# Altium PCB DRV驱动.PcbDoc
Units mil, origin at the board's own origin, x right, y up, seen from the top; angles counter-clockwise.
Board outline 2580 x 1610 mil, 3 copper layers (Top Layer, Internal Plane 2, Bottom Layer); 45 components, 0 nets, 213 pads, 71 vias.
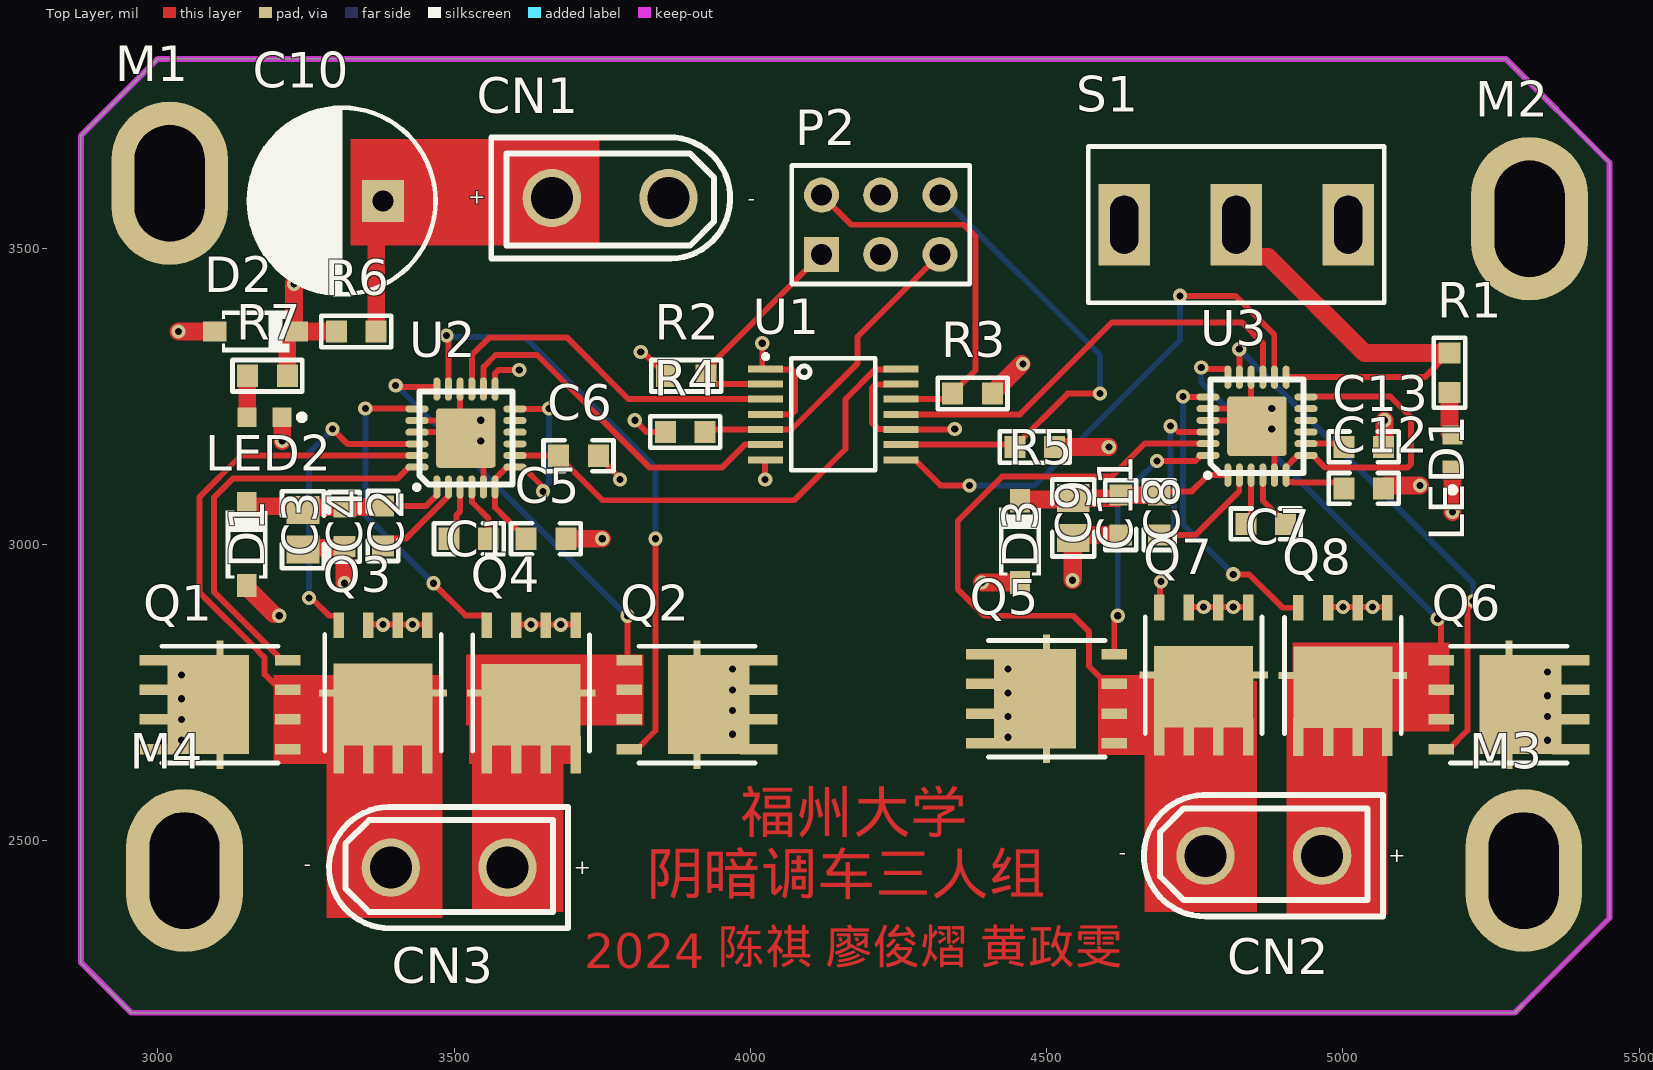
[diagram p0: Top Layer view]
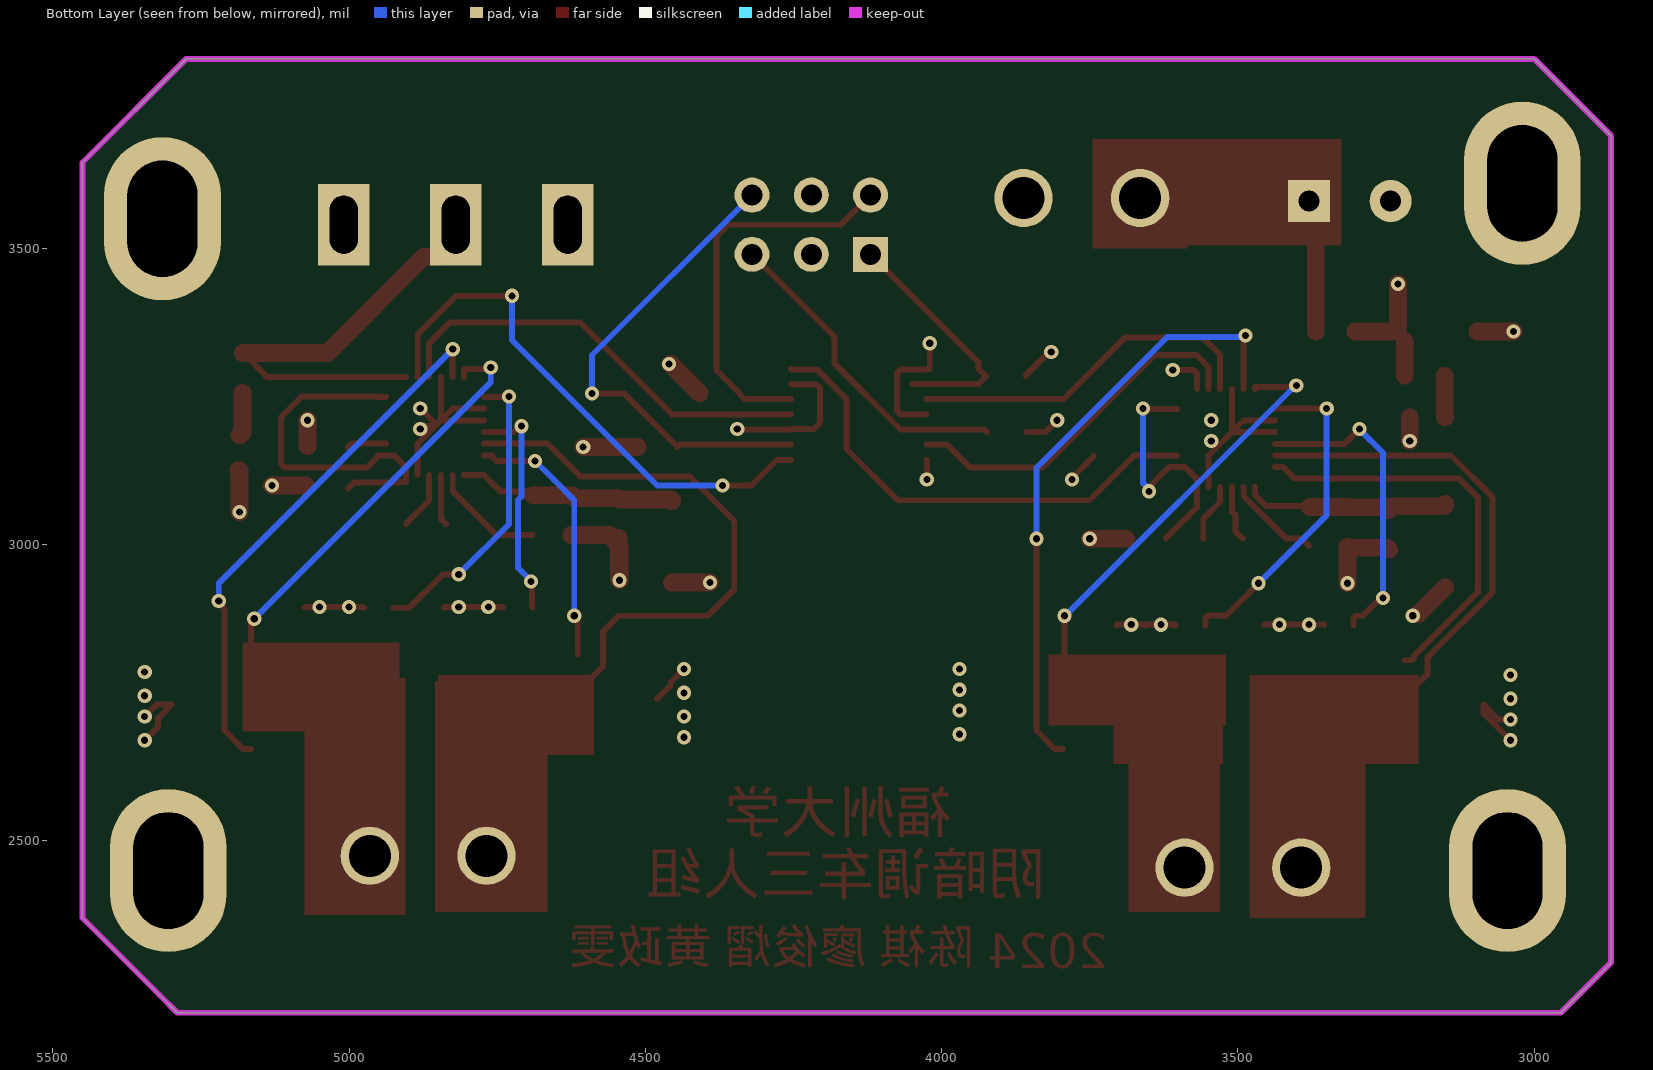
[diagram p1: Bottom Layer view, seen from below]
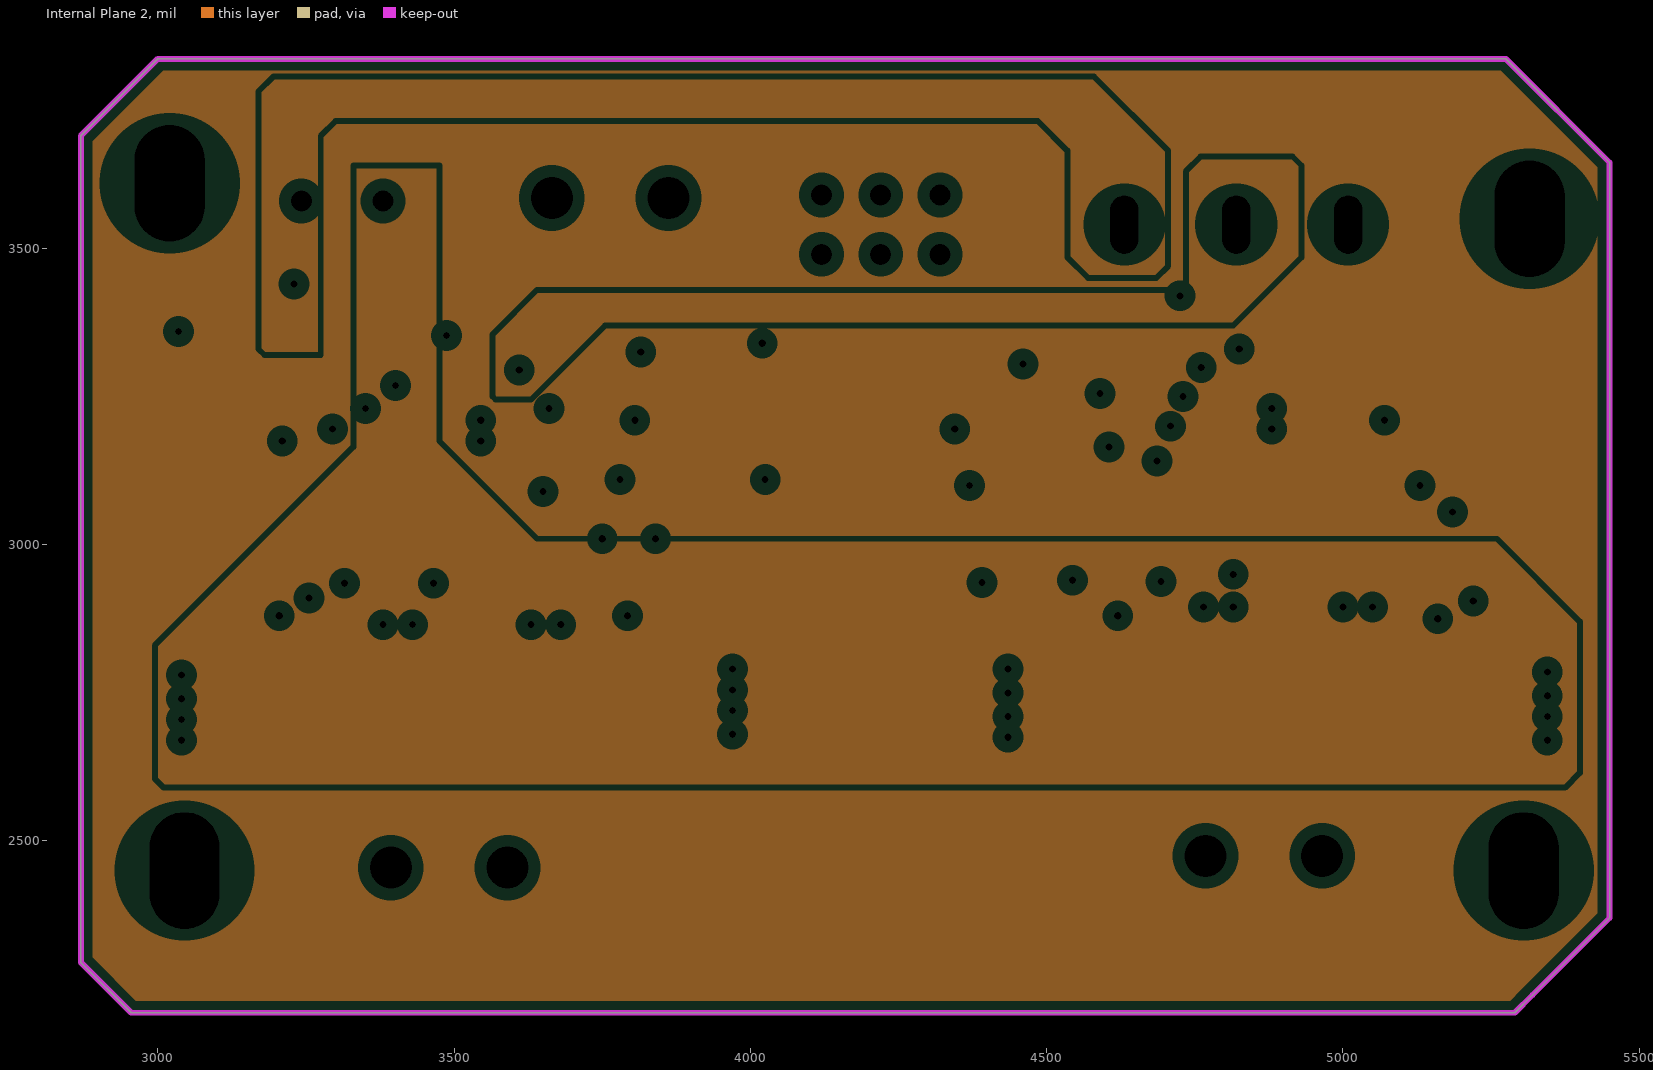
[diagram p2: Internal Plane 2, clearances drawn from the general rule]

## Layer stack, top to bottom
Top Solder: solder mask 0.4, Solder Resist, Dk 3.5
Top Layer: signal copper 1.4
Dielectric 1: dielectric 12.6, FR-4, Dk 4.8
Internal Plane 2: plane copper 1.4
Dielectric2: dielectric 12.6, FR-4, Dk 4.8
Bottom Layer: signal copper 1.4
Bottom Solder: solder mask 0.4, Solder Resist, Dk 3.5

## Board outline
2870,2295 2955,2210 5290,2210 5320,2240 5450,2370 5450,3645 5275,3820 3000,3820 2870,3690

## Design rules (kind name [scope] priority, off if disabled: settings)
Clearance [All] p1: gap=10 ignorepadtopadclearanceinfootprint=FALSE except(0: Arc-Hole Track-Hole SMDPad-Hole THPad-Hole Via-Hole Fill-Hole Poly-Hole Region-Hole Text-Hole)
PlaneClearance [All] p1: clearance=20
PlaneConnect [All] p1: planeconnectstyle=Relief reliefexpansion=20 reliefentries=4 reliefconductorwidth=10 reliefairgap=10
PolygonConnect [All] p1: connectstyle=Relief reliefconductorwidth=10 reliefentries=4 polygonreliefangle="90 Angle" airgapwidth=10
RoutingVias [All] p1: holewidth=28 width=50 viastyle="Through Hole" minholewidth=28 minwidth=50 maxholewidth=28 maxwidth=50
SolderMaskExpansion [All] p1: expansion=4 istentingtop=FALSE
Width [All] p1: maxlimit=10 minlimit=10 preferedwidth=10
28 further rules are at their usual default settings.

## Components (designator, comment, footprint, x,y, rotation, side; value= is the part's Value field where it differs from the comment)
C1 "100nF ±10% 50V" CAPC1608[0603]S-N 3525,3010 r0 top value=100nF
C2 "1uF ±10% 25V" CAPC1608[0603]S-N 3380,3031.54 r90 top value=1uF
C3 "10uF ±10% 25V" CAPC2012[0805]S-N 3245,3025 r270 top value=10uF
C4 "100nF ±10% 50V" CAPC1608[0603]S-N 3315,3030 r270 top value=100nF
C5 "1uF ±10% 25V" CAPC1608[0603]S-N 3655,3010 r180 top value=1uF
C6 "1uF ±10% 25V" CAPC1608[0603]S-N 3710,3150 r180 top value=1uF
C7 "100nF ±10% 50V" CAPC1608[0603]S-N 4870,3035 r0 top value=100nF
C8 "1uF ±10% 25V" CAPC1608[0603]S-N 4690,3050 r90 top value=1uF
C9 "10uF ±10% 25V" CAPC2012[0805]S-N 4545,3045 r270 top value=10uF
C10 "220uF 25V" CAPPR3.5-8X11.5 3311.1,3580 r180 top value=220uF
C11 "100nF ±10% 50V" CAPC1608[0603]S-N 4625,3050 r270 top value=100nF
C12 "1uF ±10% 25V" CAPC1608[0603]S-N 5035,3095 r180 top value=1uF
C13 "1uF ±10% 25V" CAPC1608[0603]S-N 5035,3165 r180 top value=1uF
CN1 "XT30UPB-F30.G.Y" CONN-TH_XT30UPB-M 3763.43,3585 r180 top
CN2 "XT30UPB-F30.G.Y" CONN-TH_XT30UPB-M 4866.57,2475 r0 top
CN3 "XT30UPB-F30.G.Y" CONN-TH_XT30UPB-M 3491.57,2455 r0 top
D1 "1N5819" SOD-123-L 3150,3000 r90 top
D2 "BZT52C3V3" SOD-123-L 3165,3360 r0 top
D3 "1N5819" SOD-123-L 4455,3005 r90 top
LED1 "Blue" LEDC1608(0603) 5185,3155.47 r90 top
LED2 "" LEDC1608(0603) 3180,3215 r180 top
M1 "MountHole" M3-MountSlot 3042.8,3592.83 r90 top
M2 "MountHole" M3-MountSlot 5337.8,3532.83 r90 top
M3 "MountHole" M3-MountSlot 5327.8,2432.83 r90 top
M4 "MountHole" M3-MountSlot 3067.8,2432.83 r90 top
P2 "Header 3X2" HDR2X3 4120,3490 r0 top
Q1 "TPH1R403NL" DFN5x6 3105,2730 r90 top
Q2 "TPH1R403NL" DFN5x6 3910,2730 r270 top
Q3 "TPH1R403NL" DFN5x6 3380,2750 r180 top
Q4 "TPH1R403NL" DFN5x6 3630,2749.69 r180 top
Q5 "TPH1R403NL" DFN5x6 4500,2740 r90 top
Q6 "TPH1R403NL" DFN5x6 5280,2730 r270 top
Q7 "TPH1R403NL" DFN5x6 4765,2779.69 r180 top
Q8 "TPH1R403NL" DFN5x6 5000,2779.33 r180 top
R1 "330R ±1%" RESC1608[0603]S-N 5180,3290 r270 top value=330R
R2 "10K ±1%" RESC1608[0603]S-N 3891.54,3285 r180 top value=10K
R3 "10K ±1%" RESC1608[0603]S-N 4375,3255 r180 top value=10K
R4 "10K ±1%" RESC1608[0603]S-N 3890,3190 r180 top value=10K
R5 "10K ±1%" RESC1608[0603]S-N 4480,3165 r180 top value=10K
R6 "2.2K ±1%" RESC1608[0603]S-N 3335,3360 r180 top value=2.2K
R7 "1K ±1%" RESC1608[0603]S-N 3185,3285 r0 top value=1K
S1 "SW-SPDT" SS12D10 4820,3540 r180 top
U1 "SN74HC125PWR" TSSOP-14 4140,3220 r0 top
U2 "DRV8701E" QFN24-4x4 3520,3180 r90 top
U3 "DRV8701E" QFN24-4x4 4855,3200 r90 top

## Footprints (in the part's own frame and the unit in brackets; to place one, negate y for a bottom-side part, rotate by r counter-clockwise, add the part's x,y. Pads: shape width x height; smd on the part's side, far side on the other; paste and mask are expansions set on the pad)
CAPC1608[0603]S-N [mm]
  rect 0.9x0.95 smd: 1(-0.85,0) 2(0.85,0)
  silkscreen extent -1.5,-0.66 1.5,0.66, body extent -0.8,-0.41 0.8,0.41, height 0.79
CAPC2012[0805]S-N [mm]
  rect 1.2x1.4 smd: 1(-0.85,0) 2(0.85,0)
  silkscreen extent -1.65,-0.9 1.65,0.9, body extent -1,-0.63 1,0.62, height 1.25
CAPPR3.5-8X11.5 [mm]
  rect 1.8x1.8 hole 0.9: 1(-1.75,0)
  round 1.8 hole 0.9: 2(1.75,0)
  silkscreen extent -4,-4.01 4,4, body extent -4,-3.98 4,3.98, height 11.5
CONN-TH_XT30UPB-M [mm]
  round 2.5 hole 1.8: 1(-2.5,0) 2(2.5,0)
  silkscreen extent -5.14,-2.6 5.1,2.6
DFN5x6 [mm]
  rect 0.45x1.6 smd: 1(-1.905,2.65) 1(-0.635,2.65) 1(0.635,2.65) 1(1.905,2.65)
  rect 5.5x0.3 smd: 1(0,0)
  rect 4.25x3.5 smd: 1(0,0.5)
  rect 0.45x1.1 smd: 2(1.905,-2.9) 3(-1.905,-2.9) 3(-0.635,-2.9) 3(0.635,-2.9)
  silkscreen extent -2.5,-2.5 2.5,2.5, body extent -2.45,-3 2.45,3, height 1
HDR2X3 [mm]
  rect 1.5x1.5 hole 0.9: 1(0,0)
  round 1.5 hole 0.9: 2(0,2.54) 3(2.54,0) 4(2.54,2.54) 5(5.08,0) 6(5.08,2.54)
  silkscreen extent -1.27,-1.27 6.35,3.81, body extent -1.27,-1.27 6.35,3.81, height 8.54
LEDC1608(0603) [mm]
  rect 0.8x0.85 smd: A(0.75,0) C(-0.75,0)
  silkscreen extent -1.73,-0.13 -1.48,0.12, body extent -0.8,-0.4 0.8,0.4, height 0.64
M3-MountSlot [mm]
  oval 7x5 hole 3 slot 5 at 0 deg: 1(0.436,0.579)
QFN24-4x4 [mm]
  rrect10% 2.55x2.55 smd: 0(0,0)
  oval 1x0.3 smd: 1(-2.1,1.25) 2(-2.1,0.75) 3(-2.1,0.25) 4(-2.1,-0.25) 5(-2.1,-0.75) 6(-2.1,-1.25) 13(2.1,-1.25) 14(2.1,-0.75) 15(2.1,-0.25) 16(2.1,0.25) 17(2.1,0.75) 18(2.1,1.25)
  oval 0.3x1 smd: 7(-1.25,-2.1) 8(-0.75,-2.1) 9(-0.25,-2.1) 10(0.25,-2.1) 11(0.75,-2.1) 12(1.25,-2.1) 19(1.25,2.1) 20(0.75,2.1) 21(0.25,2.1) 22(-0.25,2.1) 23(-0.75,2.1) 24(-1.25,2.1)
  silkscreen extent -2.21,-2 2,2.21, body extent -2,-2 2,2, height 0.9
RESC1608[0603]S-N [mm]
  rect 0.9x0.95 smd: 1(-0.85,0) 2(0.85,0)
  silkscreen extent -1.5,-0.67 1.5,0.67, body extent -0.8,-0.4 0.8,0.4, height 0.45
SOD-123-L [mm]
  rect 1x0.85 smd: A(-1.75,0) K(1.75,0)
  silkscreen extent -1.44,-0.9 1.47,0.9, body extent -1.85,-0.8 1.85,0.8, height 1.2
SS12D10 [mm]
  rect 2.2x3.5 hole 1.2 slot 2.5 at 90 deg mask+0.07: 1(-4.8,0) 2(0,0) 3(4.8,0)
  silkscreen extent -6.35,-3.35 6.35,3.35, body extent -6.4,-3.3 6.35,3.8, height 12.5
TSSOP-14 [mm]
  rect 1.5x0.3 smd mask+0.07: 1(-2.9,1.95) 2(-2.9,1.3) 3(-2.9,0.65) 4(-2.9,0) 5(-2.9,-0.65) 6(-2.9,-1.3) 7(-2.9,-1.95) 8(2.9,-1.95) 9(2.9,-1.3) 10(2.9,-0.65) 11(2.9,0) 12(2.9,0.65) 13(2.9,1.3) 14(2.9,1.95)
  silkscreen extent -2.99,-2.4 1.8,2.57, body extent -3.2,-2.5 3.2,2.5, height 1.13

## Part data
C1 C4 C7 C11: library part Cap-Chip_1, "贴片电容", Tolerance=±10%, Voltage=50V, Price(RMB)=0.000, Published=8-Jun-2000, Publisher="Altium Limited", Revision="July-2002: Re-released for DXP Platform."
C2 C5 C6 C8 C12 C13: library part Cap-Chip_2, "贴片电容", Tolerance=±10%, Voltage=25V, Price(RMB)=0.000, Published=8-Jun-2000, Publisher="Altium Limited", Revision="July-2002: Re-released for DXP Platform."
C3 C9: library part Cap-Chip, "贴片电容", Tolerance=±10%, Voltage=25V, Price(RMB)=0.000, Published=8-Jun-2000, Publisher="Altium Limited", Revision="July-2002: Re-released for DXP Platform."
C10: library part Cap-Elect, "Polarized Capacitor (Radial)", Voltage=25V, Price(RMB)=0.000, Published=8-Jun-2000, Publisher="Altium Limited", Revision="July-2002: Re-released for DXP Platform."
CN1 CN2 CN3: Colour=黄色, contact resistance=0.65mΩ, JLCPCB Part Class="Extended Part", LCSC Part Name=AMASS(艾迈斯)直立焊板式连接器XT30UPB30-F.G.*, Manufacturer=AMASS(艾迈斯), MaximumCurrent=-, RatedCurrent=15A, RatedVoltage="DC 500V", Add into BOM=yes, Belt length=-, Brand=艾迈斯, Convert to PCB=yes, Datasheet=https://atta.szlcsc.com/upload/public/pdf/source/20220715/AFD68B9E8B6CA95A7295DBF4AF9325E4.pdf, Device=XT30UPB-F30.G.Y, FlameRetardantGrade=-, Input=-, InsulationMaterial=PA, Interface=-, InterfaceType=母头, Manufacturer Part=XT30UPB-F30.G.Y, MetalMaterial=镀金, Model=XT30UPB-F30.G.Y, NumberOfUSBHoles=-, Output=-, Power=-, RecommendedWireGauge=-, Size=-, specifications=-, Supplier=LCSC, Supplier Footprint=-, Supplier Part=C108769, Symbol=XT30UPB-F, Type=航模插头, Type1=-
D1 D3: library part "Diode Schottky", "肖特基二极管 Diode", Imax=500mA, PartNumber=1N5819, Price(RMB)=0.000, Published=8-Jun-2000, Publisher="Altium Limited", Revision="July-2002: Re-released for DXP Platform."
D2: library part "Diode Zen", "3.3V稳压二极管 SOD-123", Price(RMB)=0.000, Published=8-Jun-2000, Publisher="Altium Limited", Revision="July-2002: Re-released for DXP Platform."
LED1: library part "LED Chip Blue", "Typical Chip LED", Color=Blue, Price(RMB)=0.00, Published=8-Jun-2000, Publisher="Altium Limited", Revision="July-2002: Re-released for DXP Platform."
LED2: library part "LED Chip Red", "Typical Chip LED", Price(RMB)=0.00, Published=8-Jun-2000, Publisher="Altium Limited", Revision="July-2002: Re-released for DXP Platform."
M1 M2 M3 M4: "固定孔"
P2: "Header, 3-Pin, Dual row", LatestRevisionDate=17-Jul-2002, LatestRevisionNote="Re-released for DXP Platform.", Price(RMB)=0.00, Publisher="Altium Limited"
Q1 Q2 Q3 Q4 Q5 Q6 Q7 Q8: "东芝 N沟 MOS"
R1: library part Res-Chip_3, "贴片电阻", Tolerance=±1%, Price(RMB)=0.000, Published=8-Jun-2000, Publisher="Altium Limited", Revision="July-2002: Re-released for DXP Platform."
R2 R3 R4 R5: library part Res-Chip_1, "贴片电阻", Tolerance=±1%, Price(RMB)=0.000, Published=8-Jun-2000, Publisher="Altium Limited", Revision="July-2002: Re-released for DXP Platform."
R6: library part Res-Chip, "贴片电阻", Tolerance=±1%, Price(RMB)=0.000, Published=8-Jun-2000, Publisher="Altium Limited", Revision="July-2002: Re-released for DXP Platform."
R7: library part Res-Chip_2, "贴片电阻", Tolerance=±1%, Price(RMB)=0.000, Published=8-Jun-2000, Publisher="Altium Limited", Revision="July-2002: Re-released for DXP Platform."
S1: "单刀双掷开关 3脚船型、钮子、拨动开关 SPDT Subminiature Toggle Switch", Price(RMB)=0.000, Published=24-Mar-1999, Publisher="Altium Limited"
U1: "三态输出的四路缓冲器 TSSOP-20"
U2 U3: "DRV8701E Ti全桥驱动芯片"

## Via types
v1: diameter 24, hole 12, Top Layer to Bottom Layer, 71 vias

## Nets (pads, with @x,y where several pads share a name; then routed paths per layer and width w, separated by ;. In a path a pad name is that pad's centre, name@x,y a point inside that pad or via, vN(x,y) a via of type N, cw(c..) or ccw(c..) an arc to the next point about the centre after c; other vN are vias at no path point)
pads on no net: C1.1 C1.2 C2.1 C2.2 C3.1 C3.2 C4.1 C4.2 C5.1 C5.2 C6.1 C6.2 C7.1 C7.2 C8.1 C8.2 C9.1 C9.2 C10.1 C10.2 C11.1 C11.2 C12.1 C12.2 C13.1 C13.2 CN1.1 CN1.2 CN2.1 CN2.2 CN3.1 CN3.2 D1.A D1.K D2.A D2.K D3.A D3.K LED1.A LED1.C LED2.A LED2.C M1.1 M2.1 M3.1 M4.1 P2.1 P2.2 P2.3 P2.4 P2.5 P2.6 Q1.1 Q1.2 Q1.3 Q2.1 Q2.2 Q2.3 Q3.1 Q3.2 Q3.3 Q4.1 Q4.2 Q4.3 Q5.1 Q5.2 Q5.3 Q6.1 Q6.2 Q6.3 Q7.1 Q7.2 Q7.3 Q8.1 Q8.2 Q8.3 R1.1 R1.2 R2.1 R2.2 R3.1 R3.2 R4.1 R4.2 R5.1 R5.2 R6.1 R6.2 R7.1 R7.2 S1.1 S1.2 S1.3 U1.1 U1.2 U1.3 U1.4 U1.5 U1.6 U1.7 U1.8 U1.9 U1.10 U1.11 U1.12 U1.13 U1.14 U2.0 U2.1 U2.2 U2.3 U2.4 U2.5 U2.6 U2.7 U2.8 U2.9 U2.10 U2.11 U2.12 U2.13 U2.14 U2.15 U2.16 U2.17 U2.18 U2.19 U2.20 U2.21 U2.22 U2.23 U2.24 U3.0 U3.1 U3.2 U3.3 U3.4 U3.5 U3.6 U3.7 U3.8 U3.9 U3.10 U3.11 U3.12 U3.13 U3.14 U3.15 U3.16 U3.17 U3.18 U3.19 U3.20 U3.21 U3.22 U3.23 U3.24
copper on no net: | length 21597
  Top Layer w10: v1(3040,2670) 3085.31,2715.31 3085.31,2730 3060.31,2705 v1(3040,2705) ; 3150,2928.15 3150,2931.1 ; v1@3195.47,2882.68 3202.32,2882.68 v1(3205,2880) ; 3209.53,3215 3210,3214.53 ; 3219.17,2755 3206.38,2755 3180.23,2781.15 3180.23,2809.17 3170,2819.4 3170,2820 3070,2920 3070,3080 3140.47,3150.47 3437.32,3150.47 ; 3219.17,2805 3206.38,2805 3202.52,2808.86 3202.52,2812.48 3095,2920 3095,3080 3126.38,3111.38 3404.13,3111.38 3423.54,3130.79 3437.32,3130.79 ; v1(3255,2910) 3257.68,2907.32 3261.85,2907.32 3289.14,2880.04 3301.14,2880.04 3305,2876.18 3305,2864.17 ; v1(3295,3195) 3319.84,3170.16 3437.32,3170.16 ; v1(3350.22,3229.78) 3350.5,3229.5 3437.04,3229.5 3437.32,3229.21 ; 3355,2864.17 3355.83,2865 v1(3380,2865) 3404.17,2865 3405,2864.17 3405.83,2865 v1(3430,2865) 3454.17,2865 3455,2864.17 ; 3378.46,3063.46 3380,3065 3452.24,3065 3470.79,3083.54 3470.79,3097.32 ; 3380,2998.07 3392.72,3010.79 3419.11,3010.79 3490.13,3081.8 3490.13,3096.98 3490.47,3097.32 ; v1(3401.34,3268.66) 3404.02,3265.98 3469.95,3265.98 3470.79,3265.15 3470.79,3262.68 ; 3437.32,3189.84 3510.16,3189.84 ; 3437.32,3209.53 3490.47,3209.53 3510.16,3189.84 ; v1(3465,2935) 3519.49,2880.51 3551.14,2880.51 3555,2876.65 3555,2863.86 ; v1(3487.09,3352.91) 3490.47,3349.53 3490.47,3262.68 ; 3491.54,3010 3504.25,3022.72 3504.25,3050.25 3510.16,3056.16 3510.16,3097.32 ; 3510.16,3262.68 3510.16,3189.84 ; 3529.84,3097.32 3530.19,3096.98 3530.19,3071.98 3558.46,3043.7 3558.46,3010 ; 3529.84,3262.68 3530,3262.83 3530,3320 3560,3350 3690,3350 3794.41,3245.59 4025.83,3245.59 ; 3549.53,3097.32 3549.53,3150.47 3520,3180 3510.16,3189.84 ; 3549.53,3262.68 3549.87,3263.02 3549.87,3299.87 3570,3320 3640,3320 3830,3130 3951.86,3130 3990.68,3168.82 4025.83,3168.82 ; 3569.21,3262.68 3569.21,3289.14 3575.07,3295 v1(3610,3295) ; 3602.68,3150.47 3675.08,3150.47 3750.55,3075 4074.14,3075 4160.68,3161.53 4160.68,3245.68 4210.87,3295.87 4253.27,3295.87 4254.17,3296.77 ; 3602.68,3229.21 3659.21,3229.21 v1(3660,3230) ; 3605,2863.86 3606.14,2865 v1(3630,2865) 3653.86,2865 3655,2863.86 3656.14,2865 v1(3680,2865) 3703.86,2865 3705,2863.86 ; 3621.54,3010 3621.54,3010.98 3589.35,3043.17 3588.68,3043.17 3569.21,3062.64 3569.21,3097.32 3569.21,3111.1 3588.9,3130.79 3602.68,3130.79 3616.46,3130.79 3650,3097.24 v1(3650,3090) ; 3743.46,3150 3743.46,3149.02 3780,3112.48 v1(3780,3110) ; v1(3792.81,2880) 3792.81,2808.01 3795.83,2805 ; 3795.83,2655 3808.62,2655 3840,2686.38 v1(3840,3010) ; v1(3805,3210) 3825,3190 3856.54,3190 ; v1(3815,3325) 3817.68,3322.32 3821.73,3322.32 3858.07,3285.98 3858.07,3285 ; 3923.46,3190 3927.87,3194.41 4069.41,3194.41 4180.48,3305.48 4180.48,3350.48 4320,3490 ; 3925,3285 3925.98,3285 ; v1(4020,3340) 4020,3297.68 4020.91,3296.77 4025.83,3296.77 4026.73,3295.87 4069.14,3295.87 4075,3290.01 4075,3225.86 4069.14,3220 4025.83,3220 ; v1(4025,3110) 4025,3142.4 4025.83,3143.23 ; 4049.45,3271.18 3947.27,3271.18 3947.15,3271.3 3937.72,3271.3 3925.98,3283.03 3925.98,3285 ; 4120,3490 3937.72,3307.72 3937.72,3296.73 3925.98,3285 ; 4120,3590 4170,3540 4360,3540 4380,3520 4380,3294.45 4341.54,3255.98 4341.54,3255 4332.13,3245.59 4254.17,3245.59 ; 4254.17,3143.23 4277.8,3143.23 4321.02,3100 v1(4370,3100) ; 4254.17,3168.82 4442.72,3168.82 4446.54,3165 4446.54,3165.98 4535.55,3255 v1(4590,3255) ; 4254.17,3220 4455,3220 4610,3375 4830,3375 4864.84,3340.16 4864.84,3282.68 ; 4254.17,3271.18 4253.27,3270.28 4210.86,3270.28 4205,3264.42 4205,3205.86 4215.54,3195.31 4253.27,3195.31 4254.17,3194.41 4254.47,3194.7 4344.7,3194.7 v1(4345,3195) ; 4408.46,3255 4408.46,3255.98 ; v1(4435,2790) 4457.66,2767.34 4457.66,2762.66 4480.31,2740 ; v1@4457.48,3305 v1(4460,3305) ; 4614.17,2765 4601.38,2765 4571.26,2795.12 4571.26,2853.74 4545,2880 4395,2880 4350,2925 4350,3040 4425,3115 4610,3115 4666,3171 4719.24,3171 4719.77,3170.47 4772.32,3170.47 ; 4614.17,2815 4614.17,2874.17 v1(4620,2880) ; v1(4686.34,3141.34) 4751.34,3141.34 4758.2,3148.2 4758.2,3149.95 4759.03,3150.79 4772.32,3150.79 ; 4690,2893.86 4691.41,2895.26 4691.41,2936.41 v1(4692.81,2937.81) ; 4690,3016.54 4751.54,3016.54 4825.13,3090.13 4825.13,3116.98 4825.47,3117.32 ; 4690,3083.46 4696.54,3090 4745,3090 4772.32,3117.32 4805.79,3117.32 ; v1(4709,3200) 4712.79,3200 4722.63,3190.16 4772.32,3190.16 ; v1(4725,3420) 4818.78,3420 4884.18,3354.6 4884.18,3283.02 4884.53,3282.68 ; v1(4730,3250) 4730.79,3249.21 4772.32,3249.21 ; 4740,2893.86 4741.14,2895 v1(4765,2895) v1(4815,2895) 4838.86,2895 4840,2893.86 ; v1(4761,3299) 4763.68,3296.32 4804.95,3296.32 4805.79,3295.48 4805.79,3282.68 ; 4772.32,3209.84 4845.16,3209.84 ; 4772.32,3229.53 4825.47,3229.53 4845.16,3209.84 ; v1(4815,2950) 4815.28,2949.72 4842,2949.72 4898.21,2893.5 4925,2893.5 ; 4820,3540 4820,3565.59 ; v1(4825,3330) 4825.24,3329.76 4825.24,3282.91 4825.47,3282.68 ; 4836.54,3035 4845.16,3043.62 4845.16,3117.32 ; 4845.16,3282.68 4845.16,3209.84 ; 4864.84,3117.32 4864.84,3074.61 4903.46,3035.98 4903.46,3035 ; v1(4880,3195) 4875,3200 4855,3200 ; v1(4880,3230) 4855,3205 4855,3200 ; 4884.53,3117.32 4884.53,3170.47 4855,3200 ; 4904.21,3282.68 5138.23,3282.68 5179.02,3323.46 ; 4937.68,3170.47 4996.06,3170.47 5001.54,3165 ; 4937.68,3249.21 4938.02,3249.56 4953.08,3249.56 4953.52,3250 5080,3250 5115,3215 5115,3135.86 5109.14,3130 4970,3130 4951.8,3148.2 4951.8,3149.95 4950.97,3150.79 4923.9,3150.79 4904.21,3131.1 4904.21,3117.32 4904.21,3106.49 4905.05,3105.65 4915.88,3105.65 4916.54,3105 4991.54,3105 5001.54,3095 ; 4975,2893.5 4976.5,2895 v1(5000,2895) v1(5050,2895) 5073.5,2895 5075,2893.5 ; 5068.46,3095 5073.46,3100 ; 5068.46,3165 5070,3166.54 ; v1(5160,2875) 5160,2871.21 5165.83,2865.39 5165.83,2805 ; 5165.83,2655 5178.62,2655 5210,2686.38 5210,2891.21 5220,2901.21 v1(5220,2905) ; 5185,3125.94 5190,3120.94 ; v1(5345,2670) 5322.34,2692.66 5322.34,2707.34 5299.69,2730 5325,2730 v1(5345,2710) ; 4845.16,3209.84 4855,3200
  Top Layer w30: v1(3035,3360) 3096.1,3360 ; 3150,2928.15 v1@3195.47,2882.68 ; 3150,3068.9 3150,3066.73 3151.73,3065 3238.46,3065 3245,3058.46 3249.81,3063.27 3314.81,3063.27 3315,3063.46 3378.46,3063.46 ; 3150.47,3215 3151,3215.53 3151,3284.47 3151.54,3285 ; v1(3210,3175) 3210,3214.53 ; 3218.46,3285 3218.46,3342.8 ; v1(3230,3440) 3230,3361.73 3231.73,3360 3233.9,3360 ; 3235,3360 3301.54,3360 ; 3245,2991.54 3248.46,2995 3313.46,2995 3315,2996.54 3315.24,2996.3 v1(3315.24,2935) ; 3368.46,3360 3368.46,3568.46 3380,3580 ; 3688.46,3010 v1(3750,3010) ; v1(4391.1,2936.1) 4455,2936.1 ; 4408.46,3255.98 v1@4457.48,3305 ; 4455,3073.9 4455,3074.45 4456.73,3076.18 4542.72,3076.18 4545,3078.46 4619.02,3078.46 4624.02,3083.46 4625,3083.46 4690,3083.46 ; 4513.46,3165 v1(4605,3165) ; v1(4543.74,2940) 4543.74,2998.74 4561.54,3016.54 4625,3016.54 ; v1@4545,2941.26 4545,3011.54 ; 4820,3540 4820,3514.41 4848.31,3486.1 4873.9,3486.1 5036.54,3323.46 5179.02,3323.46 ; 5070,3166.54 v1(5070,3210) ; 5073.46,3100 v1(5130,3100) ; 5180,3256.54 5180,3189.02 5184.02,3185 5185,3185 ; v1(5185,3055) 5185,3125.2 5186.73,3125.2
  Bottom Layer w10: v1(3255,2910) 3255,3155 v1(3295,3195) ; v1(3350.22,3229.78) 3350.22,3049.78 v1(3465,2935) ; v1(3401.34,3268.66) 3402.75,3268.66 3791.41,2880 v1(3792.81,2880) ; v1(3487.09,3352.91) 3489.77,3350.23 3619.77,3350.23 3840,3130 v1(3840,3010) ; v1(3650,3090) 3650,3093.79 3660,3103.79 v1(3660,3230) ; 4320,3590 4590,3320 v1(4590,3255) ; v1(4370,3100) 4480,3100 4725,3345 v1(4725,3420) ; v1(4620,2880) 4620,3075 4654.33,3109.33 v1(4686.34,3141.34) ; v1(4692.81,2937.81) 4692.81,2938.69 4715,2960.88 4715,3075.55 4709,3081.55 v1(4709,3200) ; v1(4730,3250) 4730,3035 v1(4815,2950) ; v1(4761,3299) 4761,3274 4859,3176 v1(5160,2875) ; v1(4825,3330) 5220,2935 v1(5220,2905)
  other v1: 4435,2675 3970,2680 4435,2710 3970,2720 3040,2740 5345,2745 4435,2750 3970,2755 3040,2780 5345,2785 3970,2790 3545,3175 3545,3210

## Polygon pours and split planes (outlines as drawn)
no net on Internal Plane 2 (split plane): 4699.9,3662.89 4699.9,3472.11 4682.89,3455.1 4572.11,3455.1 4540.1,3487.11 4540.1,3665 4539.71,3666.95 4538.6,3668.6 4488.6,3718.6 4486.95,3719.71 4485,3720.1 3300,3720.1 3298.05,3719.71 3296.4,3718.6 3271.4,3693.6 3270.29,3691.95 3269.9,3690 3269.9,3325.1 3182.11,3325.1 3175.1,3332.11 3175.1,3762.89 3197.11,3784.9 4577.89,3784.9
no net on Internal Plane 2 (split plane): 4924.9,3637.89 4924.9,3487.11 4812.89,3375.1 3755,3375.1 3753.05,3374.71 3751.4,3373.6 3627.89,3250.1 3572.11,3250.1 3570.1,3252.11 3570.1,3352.89 3642.11,3424.9 4725,3424.9 4726.95,3425.29 4728.6,3426.4 4738.6,3436.4 4739.71,3438.05 4740.1,3440 4740.1,3500 4740.1,3627.89 4762.11,3649.9 4912.89,3649.9
no net on Internal Plane 2 (split plane): 3469.9,3175 3470.29,3173.05 3471.4,3171.4 3636.4,3006.4 3638.05,3005.29 3640,3004.9 5257.89,3004.9 5394.9,2867.89 5394.9,2617.11 5372.89,2595.1 3012.11,2595.1 3000.1,2607.11 3000.1,2827.89 3333.6,3161.4 3334.71,3163.05 3335.1,3165 3335.1,3634.9 3469.9,3634.9
no net on Internal Plane 2 (split plane): 5429.9,3636.68 5429.9,2378.32 5305.79,2254.21 5281.68,2230.1 2963.32,2230.1 2890.1,2303.32 2890.1,3681.68 3008.32,3799.9 5266.68,3799.9

## Keep-outs
Keep-Out Layer:
  the board outline again, w10

## Other copper
Top Layer:
  rectangle: 3195,2630 3480,2780
  rectangle: 3285,2470 3480,2660
  rectangle: 3530,2470 3685,2660
  rectangle: 3520,2695 3820,2815
  rectangle: 3525,2630 3710,2720
  rectangle: 3325,3505 3665,3685
  rectangle: 4586.32,2645 4850,2780.06
  rectangle: 4665,2465 4855,2770
  rectangle: 4905,2475 5075,2775
  rectangle: 4915,2685 5180,2835
  rectangle: 3585,3500 3745,3685
  rectangle: 3285,2370 3480,2510
  rectangle: 3530,2380 3685,2505
  rectangle: 4665,2380 4855,2525
  rectangle: 4905,2375 5075,2530
  text "福州大学" at 3981.67,2491.08 h120
  text "阴暗调车三人组" at 3825.08,2387.24 h120
  text "陈祺 廖俊熠 黄政雯" at 3945.07,2274.44 h100
  text "2024" at 3719.93,2266.04 h100
Internal Plane 2 (plane layer: these items are gaps in the copper):
  lines w10: 2995,2605 2995,2830 3330,3165 3330,3640 3475,3640 3475,3175 3640,3010 5260,3010 5400,2870 5400,2615 5375,2590 3010,2590 2995,2605 ; 3170,3330 3170,3765 3195,3790 4580,3790 4705,3665 4705,3470 4685,3450 4570,3450 4535,3485 4535,3665 4485,3715 3300,3715 3275,3690 3275,3320 3180,3320 3170,3330 ; 3565,3250 3565,3355 3640,3430 4725,3430 4735,3440 4735,3500 4735,3630 4760,3655 4915,3655 4930,3640 4930,3485 4815,3370 3755,3370 3630,3245 3570,3245 3565,3250

## Silkscreen, mask and mechanical layers (free items; w line width, h text height)
Top Solder:
  rectangle: 3980,2470 4465,2605
  rectangle: 3720,2240 4605,2585
  rectangle: 4565,2240 4710,2365

## Text inside footprints (layer, text, board x,y; h text height)
CN1: Top Overlay "+" at 3553.43,3596.35 h25.74 r180; Top Overlay "-" at 4008.43,3591.35 h25.74 r180
CN2: Top Overlay "+" at 5076.56,2463.65 h25.74; Top Overlay "-" at 4621.56,2468.65 h25.74
CN3: Top Overlay "+" at 3701.57,2443.65 h25.74; Top Overlay "-" at 3246.57,2448.65 h25.74